# Altium PCB spd150.PcbDoc (part 15 of 16)
Units mm, origin at the board's own origin, x right, y up, seen from the top; angles counter-clockwise.
Board outline 217.35 x 147.5 mm, 10 copper layers (TOP, LYR2-PLN, LYR3-SIG, LYR4-SIG, LYR5-PLN, LYR6-PLN, LYR7-SIG, LYR8-SIG, LYR9-PLN, BOTTOM), stack 2.134 mm thick; 1065 components, 972 nets, 4226 pads, 2810 vias.
Unrouted connection lines stored in the file: 16.
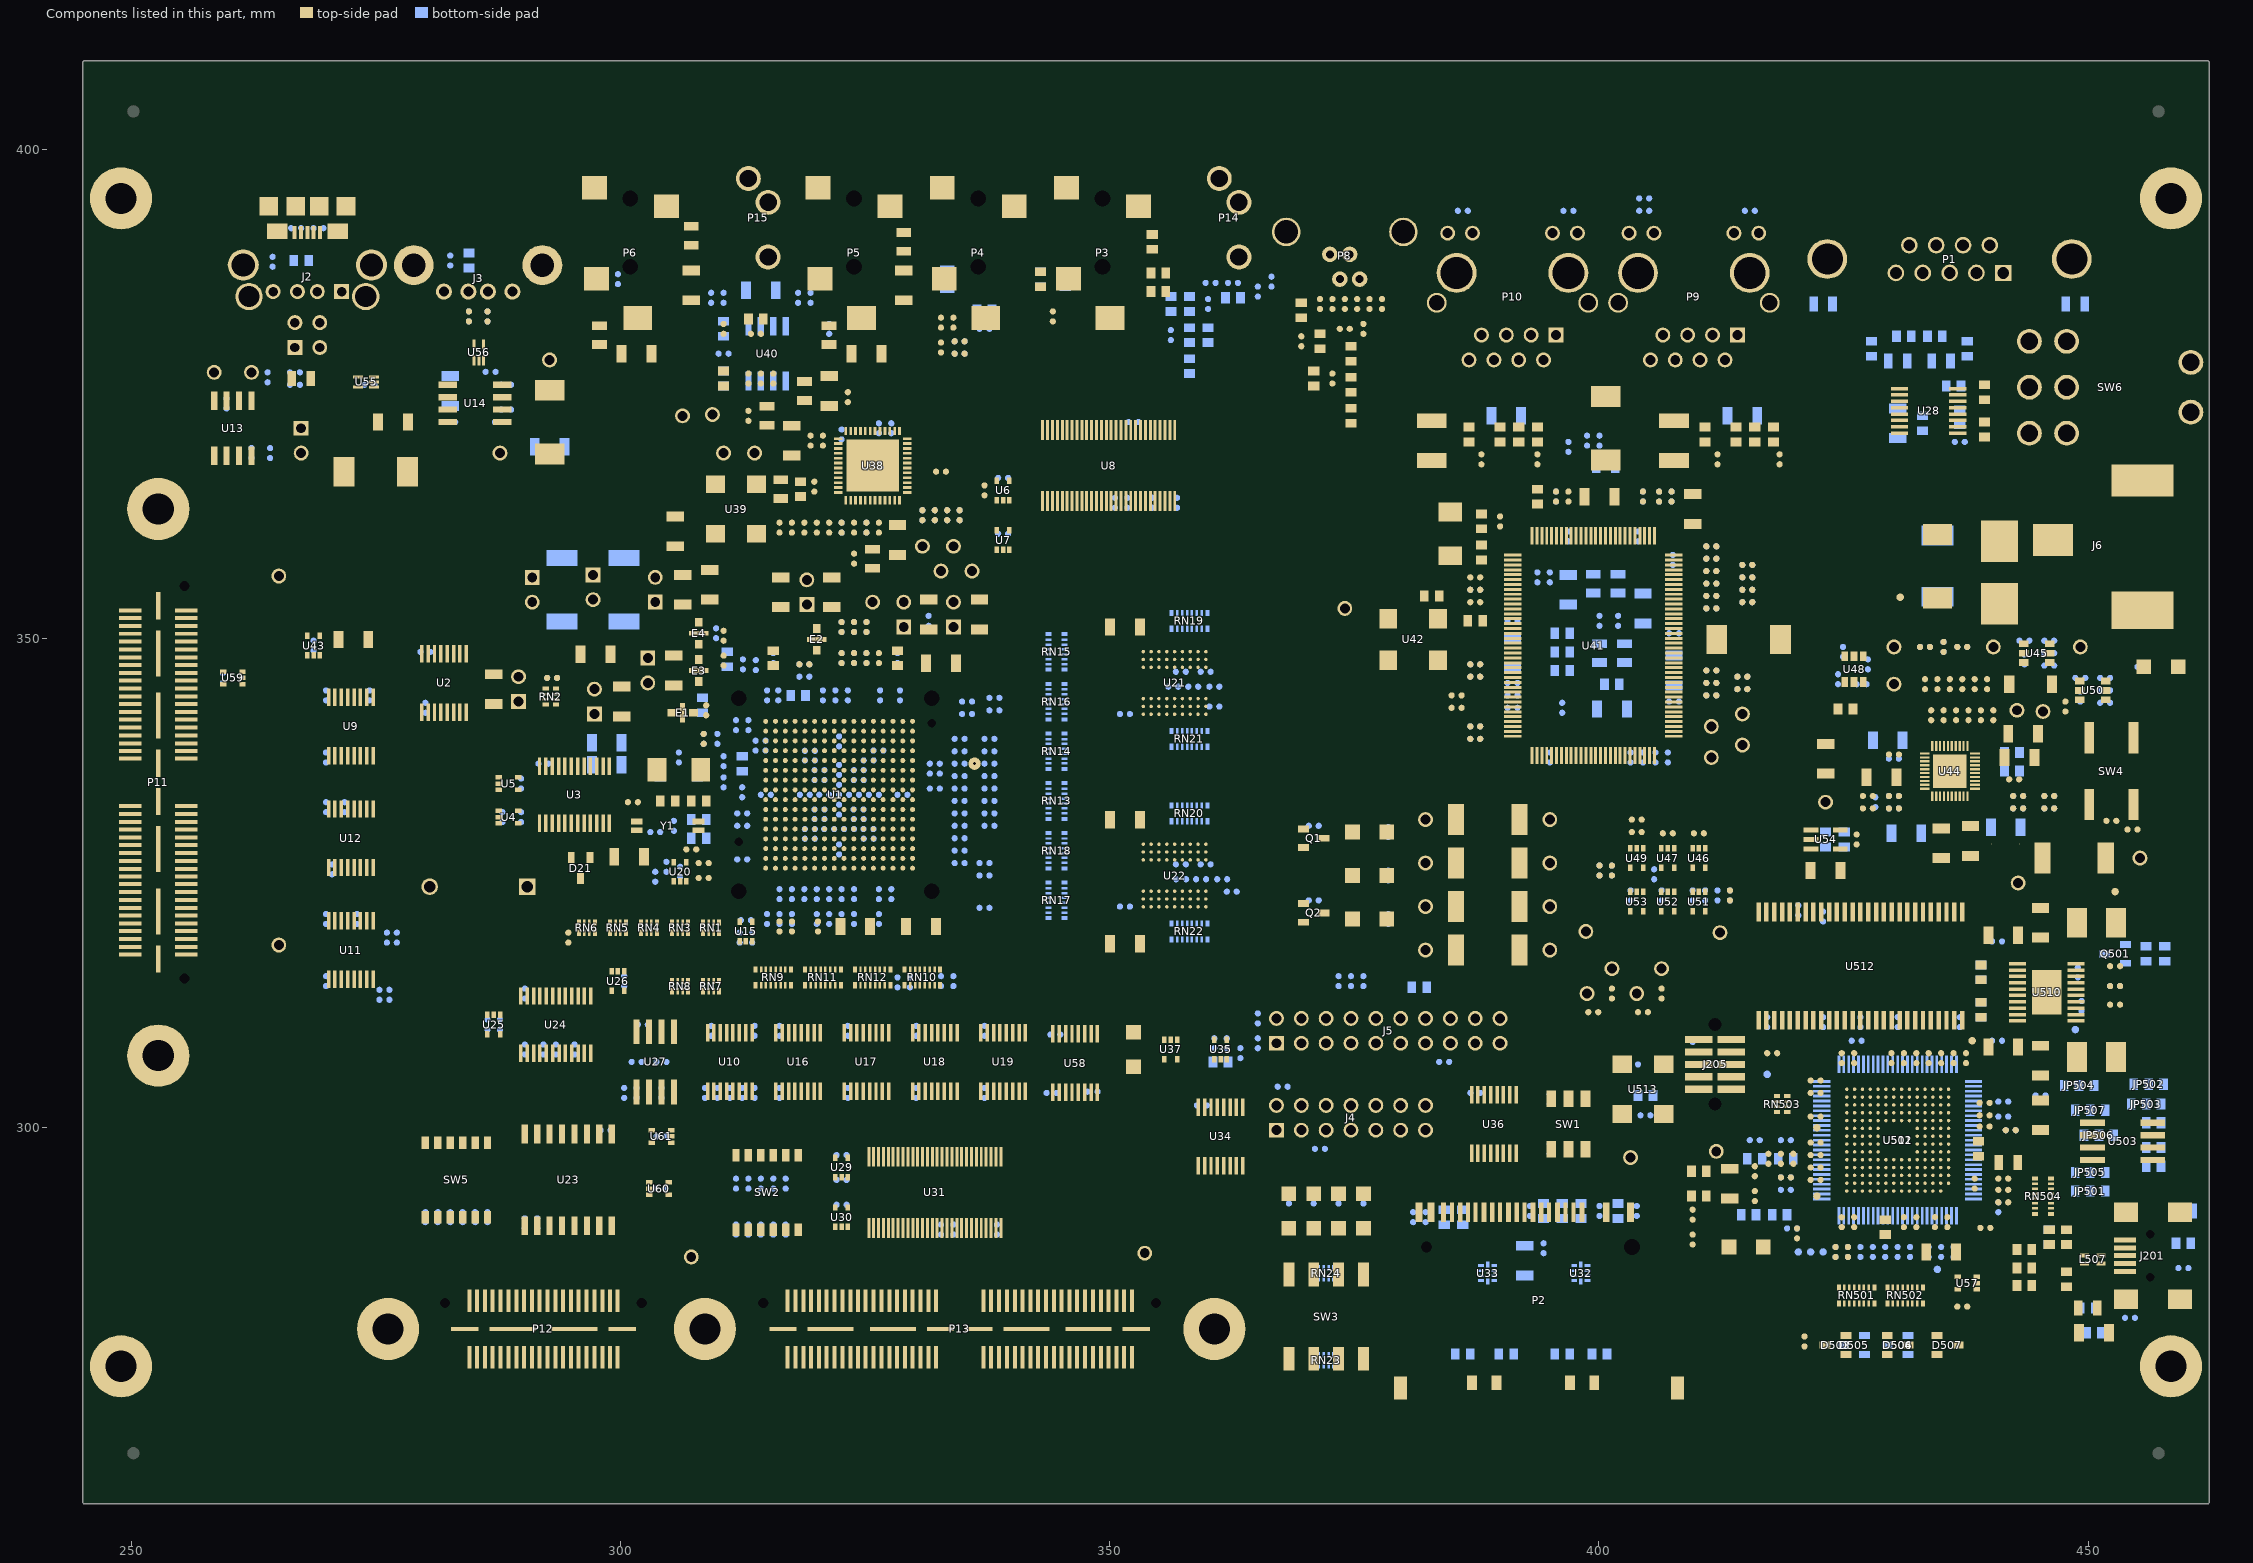
[diagram p23: the components of this part, seen from the top]

## Silkscreen, mask and mechanical layers (free items; w line width, h text height) (continued)
ASSY:
  drawing of 23313 lines, arcs and shapes, not listed
  text "P5" at 212.407,440.459 h1.27 r90
  text "P6" at 178.118,440.078 h1.27 r90
  text "P8" at 292.036,439.697 h1.27 r90
  text "P4" at 231.457,439.316 h1.27 r90
  text "P3" at 250.507,439.316 h1.27 r90
  text "MAC ADDRESS" at 485.267,438.554 h1.91
  text "J3" at 160.401,437.792 h1.91 r90
  text "P15" at 183.261,437.601 h1.27 r90
  text "P14" at 269.748,437.601 h1.27 r90
  text "R233" at 561.276,437.03 h1.27
  text "R240" at 571.754,436.839 h1.27
  text "USB1" at 137.16,436.268 h1.27 r90
  text "USB0" at 111.061,435.696 h1.27 r90
  text "IN" at 236.029,435.506 h1.27 r90
  text "R193" at 710.819,435.125 h1.27 r90
  text "00-0E-99-" at 490.22,434.934 h1.91
  text "R235" at 545.465,434.934 h1.27
  text "R234" at 561.276,434.934 h1.27
  text "L14" at 181.356,434.744 h1.27 r90
  text "R239" at 579.945,434.744 h1.27
  text "R59" at 759.968,433.982 h1.27
  text "R58" at 764.921,433.982 h1.27
  text "OUT" at 163.449,433.601 h1.27 r90
  text "IN" at 217.361,433.41 h1.27 r90
  text "UART" at 399.669,433.41 h1.91 r90
  text "R186" at 676.529,432.458 h1.27 r90
  text "C270" at 771.017,430.934 h1.27 r90
  text "R392" at 740.727,430.743 h1.27 r90
  text "C271" at 743.585,430.743 h1.27 r90
  text "L12" at 212.026,428.648 h1.27 r90
  text "LINE" at 236.029,428.648 h1.27 r90
  text "MIC" at 217.17,428.076 h1.27 r90
  text "HP OUT" at 198.31,427.886 h1.27 r90
  text "R182" at 250.126,427.695 h1.27 r90
  text "R183" at 254.889,427.124 h1.27 r90
  text "LINE" at 163.449,426.933 h1.27 r90
  text "ENET-P1" at 348.996,426.933 h1.91 r90
  text "ENET-P2" at 321.183,426.743 h1.91 r90
  text "J2" at 104.775,426.362 h1.91
  text "R211" at 627.761,425.79 h1.27 r90
  text "R217" at 619.188,425.409 h1.27
  text "C183" at 693.166,425.028 h1.27
  text "R391" at 761.301,425.028 h1.27
  text "C188" at 687.959,424.266 h1.27 r90
  text "R221" at 689.864,424.266 h1.27 r90
  text "C174" at 177.038,424.076 h1.27 r90
  text "C169" at 213.995,424.076 h1.27 r90
  text "R181" at 232.981,423.123 h1.27 r90
  text "R180" at 647.001,422.933 h1.27 r90
  text "L10" at 669.671,422.933 h1.27 r90
  text "L2" at 530.987,422.742 h1.27
  text "C161" at 655.002,422.742 h1.27 r90
  text "R214" at 635.19,421.98 h1.27 r90
  text "C181" at 637.096,421.98 h1.27 r90
  text "C180" at 639,421.98 h1.27 r90
  text "C171" at 659.384,421.599 h1.27 r90
  text "C187" at 706.818,421.218 h1.27 r90
  text "R192" at 719.391,421.218 h1.27 r90
  text "R220" at 704.913,421.028 h1.27 r90
  text "R390" at 615.379,420.647 h1.27 r90
  text "+" at 182.499,419.694 h1.27 r90
  text "+" at 212.407,419.694 h1.27 r90
  text "C167" at 250.126,419.123 h1.27
  text "SW6" at 401.193,418.932 h1.27
  text "P1" at 368.618,418.361 h1.27
  text "R212" at 193.167,418.17 h1.27
  text "L5" at 492.125,417.789 h1.27
  text "R223" at 150.304,417.599 h1.27
  text "R375" at 139.636,417.408 h1.27
  text "C130" at 520.51,417.408 h1.27 r90
  text "C170" at 218.123,417.218 h1.27 r90
  text "C132" at 515.557,417.218 h1.27 r90
  text "R187" at 662.241,417.218 h1.27
  text "C197" at 289.179,416.837 h1.27 r90
  text "R231" at 291.084,416.837 h1.27 r90
  text "C179" at 702.246,416.837 h1.27
  text "R216" at 617.855,416.646 h1.27 r90
  text "+" at 176.403,415.884 h1.27 r180
  text "C184" at 192.405,415.884 h1.27
  text "C168" at 205.613,415.313 h1.27
  text "R120" at 734.06,415.122 h1.27 r90
  text "R393" at 743.775,415.122 h1.27 r90
  text "TP4" at 156.972,414.932 h1.27
  text "C158" at 238.696,414.932 h1.27 r90
  text "C192" at 265.366,414.932 h1.27 r90
  text "R225" at 267.272,414.932 h1.27 r90
  text "C196" at 269.176,414.932 h1.27 r90
  text "R230" at 271.082,414.932 h1.27 r90
  text "R228" at 272.986,414.932 h1.27 r90
  text "C172" at 666.242,414.932 h1.27
  text "R185" at 683.577,414.932 h1.27 r90
  text "C182" at 620.332,414.551 h1.27 r90
  text "L13" at 164.973,414.17 h1.27 r90
  text "L11" at 200.215,414.17 h1.27 r90
  text "R215" at 184.747,413.675 h1.27 r90
  text "R184" at 224.79,413.598 h1.27
  text "R218" at 702.818,413.598 h1.27
  text "R190" at 666.433,413.027 h1.27
  text "C131" at 508.698,412.836 h1.27 r90
  text "R213" at 634.619,412.836 h1.27 r90
  text "P10" at 294.132,412.455 h1.27 r90
  text "C178" at 622.808,412.455 h1.27 r90
  text "C177" at 624.904,412.455 h1.27 r90
  text "U40" at 688.721,412.455 h1.27 r90
  text "U56" at 152.4,412.265 h1.27 r90
  text "+" at 211.645,412.265 h1.27 r180
  text "R232" at 286.512,412.265 h1.27 r90
  text "R53" at 771.207,412.265 h1.27 r90
  text "P9" at 348.424,412.074 h1.27 r90
  text "C263" at 732.726,411.693 h1.27
  text "U55" at 131.826,411.503 h1.27
  text "C155" at 198.564,411.503 h1.27
  text "C129" at 527.748,411.503 h1.27 r90
  text "U14" at 140.017,410.36 h1.27
  text "C173" at 168.465,410.36 h1.27
  text "R188" at 217.932,410.36 h1.27 r90
  text "C15" at 760.349,410.36 h1.27
  text "R189" at 219.075,409.598 h1.27
  text "L4" at 514.413,409.598 h1.27
  text "L3" at 518.986,409.598 h1.27
  text "L1" at 123.825,409.217 h1.27
  text "C189" at 195.453,409.217 h1.27 r90
  text "R227" at 271.462,409.026 h1.27 r90
  text "C191" at 273.368,409.026 h1.27 r90
  text "TP2" at 111.252,408.836 h1.27 r90
  text "C185" at 179.26,408.645 h1.27 r90
  text "R219" at 181.165,408.645 h1.27 r90
  text "R222" at 183.07,408.645 h1.27 r90
  text "C195" at 284.607,408.645 h1.27 r90
  text "C28" at 739.013,408.645 h1.27 r90
  text "C30" at 726.63,408.264 h1.27
  text "TP1" at 104.775,407.883 h1.27 r90
  text "R191" at 219.075,407.502 h1.27
  text "C264" at 756.92,407.502 h1.27
  text "R625" at 597.091,406.931 h1.27
  text "L7" at 196.786,406.74 h1.27 r90
  text "C194" at 283.274,406.74 h1.27
  text "C226" at 291.274,406.74 h1.27
  text "C135" at 504.317,406.74 h1.27
  text "TP40" at 180.403,406.359 h1.27
  text "R94" at 603.567,406.359 h1.27
  text "R52" at 765.683,406.359 h1.27
  text "C230" at 328.422,406.169 h1.27
  text "R60" at 731.774,406.169 h1.27
  text "C231" at 542.481,405.978 h1.27
  text "C186" at 703.77,405.978 h1.27 r90
  text "C227" at 578.866,405.788 h1.27
  text "C134" at 381.762,405.597 h1.27 r90
  text "TP39" at 172.212,405.407 h1.27
  text "C29" at 164.592,405.026 h1.27 r90
  text "+" at 196.024,405.026 h1.27 r270
  text "R629" at 597.091,405.026 h1.27
  text "C157" at 206.692,404.835 h1.27 r90
  text "J1" at 119.634,404.645 h1.27
  text "L9" at 195.262,404.454 h1.27 r90
  text "R98" at 603.567,404.454 h1.27
  text "+" at 549.275,404.264 h1.27 r180
  text "+" at 585.47,404.264 h1.27 r180
  text "C154" at 673.481,403.883 h1.27 r90
  text "C156" at 675.386,403.883 h1.27 r90
  text "+" at 741.299,403.883 h1.27 r90
  text "R310" at 305.371,403.692 h1.27 r90
  text "R308" at 308.229,403.692 h1.27 r90
  text "R304" at 344.614,403.692 h1.27 r90
  text "C176" at 629.856,403.692 h1.27 r90
  text "R311" at 300.799,403.502 h1.27 r90
  text "R307" at 336.994,403.502 h1.27 r90
  text "R306" at 341.566,403.502 h1.27 r90
  text "+" at 130.112,403.311 h1.27
  text "R309" at 312.611,403.311 h1.27 r90
  text "R305" at 348.615,403.311 h1.27 r90
  text "+" at 202.12,403.121 h1.27 r90
  text "C133" at 502.983,402.93 h1.27
  text "R224" at 779.589,402.93 h1.27 r90
  text "R22" at 639.572,402.168 h1.27
  text "C190" at 275.654,401.978 h1.27 r90
  text "R226" at 279.844,401.978 h1.27 r90
  text "C165" at 188.595,401.597 h1.27 r90
  text "R229" at 277.94,401.406 h1.27 r90
  text "C13" at 725.868,401.406 h1.27
  text "C216" at 562.61,400.835 h1.27 r90
  text "C215" at 564.515,400.835 h1.27 r90
  text "+" at 723.202,400.835 h1.27
  text "R628" at 597.852,400.644 h1.27
  text "R97" at 604.711,400.644 h1.27
  text "R61" at 733.488,400.644 h1.27
  text "U38" at 216.599,400.454 h1.27 r90
  text "R62" at 739.966,400.454 h1.27
  text "C214" at 326.136,400.263 h1.27 r90
  text "U13" at 105.156,400.073 h1.27 r90
  text "C14" at 133.541,400.073 h1.27
  text "C153" at 684.911,399.882 h1.27 r90
  text "C193" at 284.798,399.692 h1.27 r90
  text "C127" at 515.557,399.311 h1.27 r90
  text "R627" at 597.852,398.739 h1.27
  text "R96" at 604.711,398.739 h1.27
  text "R201" at 223.266,398.549 h1.27 r90
  text "R206" at 225.171,398.549 h1.27 r90
  text "R205" at 227.076,398.549 h1.27 r90
  text "R204" at 228.981,398.549 h1.27 r90
  text "C136" at 381.952,398.358 h1.27 r90
  text "+" at 520.89,398.168 h1.27 r90
  text "R295" at 573.468,397.977 h1.27 r90
  text "U28" at 368.427,397.596 h1.27
  text "C162" at 174.18,397.406 h1.27 r90
  text "C128" at 521.716,397.406 h1.27 r90
  text "TP8" at 183.261,396.834 h1.27 r90
  text "TP9" at 259.08,396.834 h1.27 r90
  text "R622" at 597.852,396.834 h1.27
  text "R91" at 604.711,396.834 h1.27
  text "C82" at 609.663,396.834 h1.27
  text "TP11" at 261.747,396.644 h1.27 r90
  text "C166" at 219.266,396.453 h1.27 r90
  text "R54" at 769.112,395.501 h1.27 r90
  text "R56" at 775.589,395.501 h1.27 r90
  text "C84" at 609.663,395.31 h1.27
  text "TP7" at 194.31,395.12 h1.27 r90
  text "U8" at 233.553,395.12 h1.27 r90
  text "R621" at 597.852,394.929 h1.27
  text "R90" at 604.711,394.929 h1.27
  text "TP5" at 148.971,394.739 h1.27
  text "C164" at 178.118,394.548 h1.27 r90
  text "C163" at 180.022,394.548 h1.27 r90
  text "R326" at 355.282,393.977 h1.27 r90
  text "R329" at 359.092,393.977 h1.27 r90
  text "R328" at 360.998,393.977 h1.27 r90
  text "R327" at 362.902,393.977 h1.27 r90
  text "R338" at 364.808,393.977 h1.27 r90
  text "C6" at 653.669,393.977 h1.27
  text "C239" at 357.188,393.786 h1.27 r90
  text "C229" at 309.562,393.596 h1.27 r90
  text "R150" at 511.937,393.596 h1.27 r90
  text "C16" at 124.968,393.405 h1.27 r90
  text "R298" at 314.325,393.405 h1.27 r90
  text "R299" at 316.23,393.405 h1.27 r90
  text "C220" at 318.008,393.405 h1.27
  text "C228" at 340.423,393.405 h1.27 r90
  text "R272" at 540.512,393.405 h1.27
  text "L21" at 564.134,393.405 h1.27
  text "C232" at 300.99,393.215 h1.27 r90
  text "C225" at 349.948,393.215 h1.27 r90
  text "R623" at 597.852,393.024 h1.27
  text "R92" at 604.711,393.024 h1.27
  text "C63" at 609.663,393.024 h1.27
  text "R198" at 662.241,392.643 h1.27 r90
  text "R199" at 664.146,392.643 h1.27 r90
  text "R200" at 666.242,392.643 h1.27 r90
  text "R207" at 668.337,392.643 h1.27 r90
  text "R365" at 376.428,392.453 h1.27
  text "R360" at 385,392.453 h1.27
  text "J6" at 394.144,391.5 h1.27
  text "R258" at 540.512,391.5 h1.27
  text "R626" at 597.852,391.119 h1.27
  text "R95" at 604.711,391.119 h1.27
  text "C200" at 304.038,390.738 h1.27 r90
  text "R273" at 305.943,390.738 h1.27 r90
  text "TP12" at 263.271,390.548 h1.27 r90
  text "TP10" at 260.223,390.357 h1.27 r90
  text "R361" at 384.238,390.357 h1.27 r90
  text "R294" at 575.183,389.976 h1.27 r90
  text "+" at 212.217,389.786 h1.27 r270
  text "+" at 316.039,389.595 h1.27
  text "R260" at 540.512,389.595 h1.27
  text "R23" at 630.237,389.405 h1.27 r90
  text "C8" at 643.382,389.405 h1.27 r90
  text "C7" at 645.287,389.405 h1.27 r90
  text "BELOW" at 137.35,389.214 h1.27
  text "C221" at 341.82,389.214 h1.27 r90
  text "R630" at 597.852,389.214 h1.27
  text "R99" at 604.711,389.214 h1.27
  text "U6" at 228.409,388.833 h1.27
  text "R21" at 637.286,388.452 h1.27 r90
  text "C259" at 370.142,388.071 h1.27 r90
  text "R325" at 356.425,387.69 h1.27 r90
  text "C269" at 358.521,387.69 h1.27 r90
  text "C268" at 360.426,387.69 h1.27 r90
  text "C267" at 362.331,387.69 h1.27 r90
  text "R342" at 364.046,387.69 h1.27 r90
  text "R330" at 365.95,387.69 h1.27 r90
  text "R244" at 540.512,387.69 h1.27
  text "R296" at 549.656,387.69 h1.27 r90
  text "R297" at 551.561,387.69 h1.27 r90
  text "R257" at 554.038,387.69 h1.27 r90
  text "R266" at 308.8,387.5 h1.27 r90
  text "R366" at 505.65,387.309 h1.27 r90
  text "R624" at 597.852,387.309 h1.27
  text "R93" at 604.711,387.309 h1.27
  text "R20" at 225.361,387.119 h1.27 r90
  text "U38" at 138.874,386.928 h1.27
  text "C5" at 656.336,386.928 h1.27
  text "R274" at 337.947,386.738 h1.27 r90
  text "R301" at 339.852,386.738 h1.27 r90
  text "R300" at 341.757,386.738 h1.27 r90
  text "C103" at 179.514,386.357 h1.27 r90
  text "R208" at 681.291,385.976 h1.27 r90
  text "R202" at 684.911,385.976 h1.27 r90
  text "C100" at 162.75,385.785 h1.27 r90
  text "R262" at 540.512,385.785 h1.27
  text "R4" at 673.29,385.595 h1.27 r90
  text "R16" at 675.195,385.595 h1.27 r90
  text "R17" at 677.101,385.595 h1.27 r90
  text "R76" at 604.901,385.214 h1.27
  text "L8" at 127.254,385.023 h1.27 r90
  text "C160" at 129.35,385.023 h1.27 r90
  text "C159" at 131.636,385.023 h1.27 r90
  text "R64" at 156.972,385.023 h1.27 r90
  text "C72" at 158.686,385.023 h1.27 r90
  text "R57" at 167.259,385.023 h1.27 r90
  text "+" at 334.518,385.023 h1.27 r90
  text "C224" at 572.135,385.023 h1.27
  text "Y3" at 293.941,384.642 h1.27 r90
  text "R116" at 726.25,384.452 h1.27 r90
  text "+" at 176.213,384.071 h1.27 r90
  text "R288" at 346.329,384.071 h1.27
  text "R115" at 716.343,384.071 h1.27 r90
  text "R249" at 540.512,383.88 h1.27
  text "R289" at 284.226,383.69 h1.27
  text "R86" at 604.901,383.309 h1.27
  text "PTP8" at 166.878,382.928 h1.27 r90
  text "U7" at 232.41,382.356 h1.27 r90
  text "GND" at 118.11,382.166 h1.27 r90
  text "R275" at 346.329,382.166 h1.27
  text "+" at 570.992,382.166 h1.27 r270
  text "U39" at 185.737,381.975 h1.27
  text "R85" at 599.757,381.975 h1.27
  text "R255" at 284.226,381.785 h1.27
  text "C223" at 557.086,381.785 h1.27 r90
  text "C222" at 559.752,381.594 h1.27 r90
  text "R82" at 604.901,381.404 h1.27
  text "R276" at 352.996,381.213 h1.27
  text "C150" at 142.748,381.023 h1.27 r90
  text "L22" at 565.277,381.023 h1.27
  text "R259" at 534.987,380.642 h1.27
  text "L23" at 562.61,380.451 h1.27 r90
  text "R277" at 346.329,380.261 h1.27
  text "D1" at 521.271,380.261 h1.27 r90
  text "R81" at 599.757,380.07 h1.27
  text "R250" at 284.226,379.88 h1.27
  text "R10" at 673.29,379.689 h1.27 r90
  text "R7" at 675.195,379.689 h1.27 r90
  text "R14" at 677.101,379.689 h1.27 r90
  text "C199" at 304.609,379.308 h1.27 r90
  text "R278" at 352.996,379.308 h1.27
  text "F1" at 387.286,378.737 h1.27 r90
  text "R261" at 534.987,378.737 h1.27
  text "R251" at 346.329,378.356 h1.27
  text "5V" at 388.048,378.356 h1.91
  text "C175" at 127.444,378.165 h1.27 r90
  text "R210" at 129.35,378.165 h1.27 r90
  text "R209" at 131.064,378.165 h1.27 r90
  text "R194" at 132.969,378.165 h1.27 r90
  text "R195" at 134.874,378.165 h1.27 r90
  text "R196" at 136.779,378.165 h1.27 r90
  text "R197" at 138.684,378.165 h1.27 r90
  text "R203" at 140.589,378.165 h1.27 r90
  text "C152" at 142.494,378.165 h1.27 r90
  text "1" at 91.821,377.784 h1.27
  text "TP6" at 206.502,377.594 h1.27
  text "R252" at 352.996,377.403 h1.27
  text "TP41" at 115.062,377.022 h1.27 r90
  text "R248" at 588.518,377.022 h1.27
  text "R245" at 534.987,376.832 h1.27
  text "R237" at 285.178,376.641 h1.27
  text "R279" at 346.329,376.451 h1.27
  text "C219" at 578.421,376.26 h1.27 r90
  text "C218" at 580.327,376.26 h1.27 r90
  text "+" at 186.309,375.879 h1.27 r90
  text "R287" at 352.996,375.498 h1.27
  text "IN" at 388.048,375.498 h1.91
  text "PTP1" at 163.068,375.117 h1.27 r90
  text "TP33" at 364.998,374.927 h1.27 r90
  text "R271" at 534.987,374.927 h1.27
  text "C212" at 556.006,374.927 h1.27 r90
  text "R256" at 346.329,374.546 h1.27
  text "L6" at 140.779,374.355 h1.27 r90
  text "PTP6" at 153.924,374.355 h1.27 r90
  text "C217" at 573.532,374.165 h1.27
  text "R118" at 229.235,373.974 h1.27 r90
  text "C101" at 232.855,373.974 h1.27 r90
  text "PTP10" at 172.593,373.784 h1.27 r90
  text "C114" at 245.618,373.784 h1.27
  text "+" at 195.072,372.641 h1.27 r90
  text "C207" at 567.372,372.45 h1.27
  text "+" at 577.85,372.069 h1.27 r270
  text "C204" at 583.184,372.069 h1.27
  text "C151" at 138.684,371.879 h1.27 r90
  text "C104" at 128.27,371.688 h1.27
  text "C37" at 702.818,371.688 h1.27
  text "TP46" at 278.702,371.498 h1.27 r90
  text "C203" at 350.329,371.498 h1.27
  text "C210" at 550.418,371.498 h1.27
  text "C198" at 596.138,371.498 h1.27
  text "R117" at 668.337,371.498 h1.27 r90
  text "TP32" at 390.906,371.307 h1.27
  text "PTP5" at 229.552,371.117 h1.27 r90
  text "PTP4" at 233.172,371.117 h1.27 r90
  text "TP31" at 360.236,370.926 h1.27
  text "R364" at 513.08,370.926 h1.27
  text "C213" at 562.61,370.736 h1.27 r90
  text "R63" at 177.546,370.545 h1.27 r90
  text "TP30" at 377.571,370.545 h1.27
  text "U45" at 388.239,370.545 h1.27 r90
  text "R346" at 499.935,370.545 h1.27 r90
  text "R347" at 496.125,370.355 h1.27 r90
  text "C22" at 687.006,370.355 h1.27
  text "+" at 227.457,370.164 h1.27 r90
  text "R238" at 298.132,369.974 h1.27
  text "R246" at 542.417,369.974 h1.27
  text "+" at 559.371,369.974 h1.27 r90
  text "A1" at 260.032,369.783 h1.27
  text "RN19" at 625.475,369.783 h1.27 r90
  text "C69" at 164.592,369.593 h1.27
  text "PTP9" at 171.45,369.402 h1.27
  text "E4" at 184.785,369.402 h1.27 r90
  text "+" at 161.734,369.021 h1.27
  text "R351" at 531.178,369.021 h1.27 r90
  text "C35" at 187.833,368.831 h1.27 r90
  text "C27" at 192.595,368.45 h1.27 r90
  text "C57" at 698.703,368.45 h1.27 r90
  text "C58" at 696.73,368.325 h1.27 r90
  text "C55" at 675.957,368.259 h1.27 r90
  text "C26" at 694.436,368.259 h1.27 r90
  text "R264" at 542.417,368.069 h1.27
  text "U42" at 284.988,367.878 h1.27 r90
  text "R362" at 509.27,367.878 h1.27 r90
  text "C71" at 217.17,367.688 h1.27
  text "GND" at 281.559,367.688 h1.27 r90
  text "DS7" at 405.575,367.688 h1.27
  text "R349" at 526.034,367.688 h1.27 r90
  text "C202" at 580.962,367.688 h1.27 r90
  text "C233" at 766.064,367.688 h1.27 r90
  text "C23" at 684.721,367.116 h1.27
  text "C1" at 742.061,367.116 h1.27
  text "PTP3" at 151.447,366.545 h1.27
  text "E2" at 198.691,366.545 h1.27 r90
  text "U43" at 125.158,366.354 h1.27
  text "U59" at 112.395,366.164 h1.27
  text "R247" at 542.417,366.164 h1.27
  text "C38" at 701.294,366.164 h1.27
  text "R368" at 476.123,365.973 h1.27
  text "U48" at 356.425,365.783 h1.27 r90
  text "R348" at 489.077,365.783 h1.27
  text "R359" at 514.985,365.783 h1.27
  text "RN15" at 644.525,365.402 h1.27 r90
  text "R269" at 588.327,365.211 h1.27
  text "E3" at 184.968,365.059 h1.27 r90
  text "L20" at 561.276,365.021 h1.27 r90
  text "+" at 214.694,364.83 h1.27
  text "TP27" at 361.569,364.83 h1.27
  text "C201" at 556.006,364.83 h1.27 r90
  text "L19" at 565.087,364.83 h1.27 r90
  text "U50" at 399.097,364.64 h1.27 r90
  text "R13" at 226.123,364.449 h1.27 r90
  text "R11" at 227.838,364.449 h1.27 r90
  text "R5" at 229.933,364.449 h1.27 r90
  text "R253" at 344.805,364.259 h1.27
  text "C111" at 619.76,364.259 h1.27
  text "C24" at 692.15,364.259 h1.27 r90
  text "C118" at 632.142,364.068 h1.27
  text "C21" at 196.596,363.687 h1.27
  text "C248" at 495.173,363.687 h1.27
  text "C36" at 187.833,363.497 h1.27 r90
  text "L15" at 390.525,363.497 h1.27 r90
  text "R355" at 479.743,363.306 h1.27
  text "R263" at 535.94,363.306 h1.27
  text "R270" at 588.327,363.306 h1.27
  text "R285" at 288.226,363.116 h1.27
  text "R280" at 350.71,363.116 h1.27
  text "C78" at 670.814,362.925 h1.27
  text "R394" at 707.962,362.544 h1.27 r90
  text "R395" at 709.866,362.544 h1.27 r90
  text "R119" at 146.558,362.354 h1.27 r90
  text "R281" at 344.805,362.354 h1.27
  text "R353" at 494.03,362.354 h1.27
  text "C121" at 603.377,361.782 h1.27
  text "C110" at 609.854,361.782 h1.27
  text "C116" at 616.521,361.782 h1.27
  text "C52" at 236.22,361.401 h1.27 r90
  text "U21" at 268.414,361.401 h1.27 r90
  text "R356" at 479.743,361.401 h1.27
  text "R265" at 535.94,361.401 h1.27
  text "R2" at 725.487,361.401 h1.27
  text "R286" at 288.226,361.211 h1.27

## Text inside footprints (layer, text, board x,y; h text height)
C91: PIN_NUMBER "2" at 325.628,338.531 h0.51; PIN_NUMBER "1" at 326.644,338.531 h0.51; ASSEMBLY_BOTTOM "0.1uF" at 326.339,338.531 h0.64; ASSEMBLY_BOTTOM "TOLERANCE" at 326.339,335.991 h0.64; ASSEMBLY_BOTTOM "USERPART#" at 326.339,334.721 h0.64; SYMBOL_PART_DIM "PAD 35X32 OV" at 329.463,333.756 h0.64; SYMBOL_PART_DIM "C402-35X32" at 329.463,335.026 h0.64; SYMBOL_PART_DIM "0" at 326.542,336.398 h0.64; SYMBOL_PART_DIM "0" at 328.676,338.201 h0.64
C92: PIN_NUMBER "2" at 322.123,338.963 h0.51 r90; PIN_NUMBER "1" at 322.123,339.979 h0.51 r90; ASSEMBLY_BOTTOM "0.1uF" at 322.326,339.471 h0.64 r90; ASSEMBLY_BOTTOM "TOLERANCE" at 324.866,339.471 h0.64 r90; ASSEMBLY_BOTTOM "USERPART#" at 326.136,339.471 h0.64 r90; SYMBOL_PART_DIM "PAD 35X32 OV" at 327.101,342.595 h0.64 r90; SYMBOL_PART_DIM "C402-35X32" at 325.831,342.595 h0.64 r90; SYMBOL_PART_DIM "0" at 324.46,339.674 h0.64 r90; SYMBOL_PART_DIM "0" at 322.656,341.808 h0.64 r90
C93: PIN_NUMBER "2" at 336.474,322.453 h0.51; PIN_NUMBER "1" at 337.49,322.453 h0.51; ASSEMBLY_BOTTOM "0.1uF" at 337.185,322.453 h0.64; ASSEMBLY_BOTTOM "TOLERANCE" at 337.185,319.913 h0.64; ASSEMBLY_BOTTOM "USERPART#" at 337.185,318.643 h0.64; SYMBOL_PART_DIM "PAD 35X32 OV" at 340.309,317.678 h0.64; SYMBOL_PART_DIM "C402-35X32" at 340.309,318.948 h0.64; SYMBOL_PART_DIM "0" at 337.388,320.319 h0.64; SYMBOL_PART_DIM "0" at 339.522,322.123 h0.64
C94: PIN_NUMBER "2" at 312.725,330.835 h0.51 r180; PIN_NUMBER "1" at 311.709,330.835 h0.51 r180; ASSEMBLY_BOTTOM "0.1uF" at 312.42,330.835 h0.64 r180; ASSEMBLY_BOTTOM "TOLERANCE" at 312.42,333.375 h0.64 r180; ASSEMBLY_BOTTOM "USERPART#" at 312.42,334.645 h0.64 r180; SYMBOL_PART_DIM "PAD 35X32 OV" at 309.296,335.61 h0.64 r180; SYMBOL_PART_DIM "C402-35X32" at 309.296,334.34 h0.64 r180; SYMBOL_PART_DIM "0" at 312.217,332.969 h0.64 r180; SYMBOL_PART_DIM "0" at 310.083,331.165 h0.64 r180
C95: PIN_NUMBER "2" at 328.092,334.01 h0.51; PIN_NUMBER "1" at 329.108,334.01 h0.51; ASSEMBLY_BOTTOM "0.1uF" at 328.803,334.01 h0.64; ASSEMBLY_BOTTOM "TOLERANCE" at 328.803,331.47 h0.64; ASSEMBLY_BOTTOM "USERPART#" at 328.803,330.2 h0.64; SYMBOL_PART_DIM "PAD 35X32 OV" at 331.927,329.235 h0.64; SYMBOL_PART_DIM "C402-35X32" at 331.927,330.505 h0.64; SYMBOL_PART_DIM "0" at 329.006,331.876 h0.64; SYMBOL_PART_DIM "0" at 331.14,333.68 h0.64
C96: PIN_NUMBER "2" at 318.618,330.505 h0.51; PIN_NUMBER "1" at 319.634,330.505 h0.51; ASSEMBLY_BOTTOM "0.1uF" at 319.329,330.505 h0.64; ASSEMBLY_BOTTOM "TOLERANCE" at 319.329,327.965 h0.64; ASSEMBLY_BOTTOM "USERPART#" at 319.329,326.695 h0.64; SYMBOL_PART_DIM "PAD 35X32 OV" at 322.453,325.73 h0.64; SYMBOL_PART_DIM "C402-35X32" at 322.453,327 h0.64; SYMBOL_PART_DIM "0" at 319.532,328.371 h0.64; SYMBOL_PART_DIM "0" at 321.666,330.175 h0.64
C97: PIN_NUMBER "2" at 318.618,337.515 h0.51; PIN_NUMBER "1" at 319.634,337.515 h0.51; ASSEMBLY_BOTTOM "0.1uF" at 319.329,337.515 h0.64; ASSEMBLY_BOTTOM "TOLERANCE" at 319.329,334.975 h0.64; ASSEMBLY_BOTTOM "USERPART#" at 319.329,333.705 h0.64; SYMBOL_PART_DIM "PAD 35X32 OV" at 322.453,332.74 h0.64; SYMBOL_PART_DIM "C402-35X32" at 322.453,334.01 h0.64; SYMBOL_PART_DIM "0" at 319.532,335.382 h0.64; SYMBOL_PART_DIM "0" at 321.666,337.185 h0.64
C98: PIN_NUMBER "2" at 322.123,328.93 h0.51 r270; PIN_NUMBER "1" at 322.123,327.914 h0.51 r270; ASSEMBLY_BOTTOM "0.1uF" at 322.326,328.422 h0.64 r270; ASSEMBLY_BOTTOM "TOLERANCE" at 319.786,328.422 h0.64 r270; ASSEMBLY_BOTTOM "USERPART#" at 318.516,328.422 h0.64 r270; SYMBOL_PART_DIM "PAD 35X32 OV" at 317.551,325.298 h0.64 r270; SYMBOL_PART_DIM "C402-35X32" at 318.821,325.298 h0.64 r270; SYMBOL_PART_DIM "0" at 320.192,328.219 h0.64 r270; SYMBOL_PART_DIM "0" at 321.996,326.085 h0.64 r270
C99: PIN_NUMBER "2" at 323.012,343.662 h0.51 r90; PIN_NUMBER "1" at 323.012,344.678 h0.51 r90; ASSEMBLY_BOTTOM "0.1uF" at 323.215,344.17 h0.64 r90; ASSEMBLY_BOTTOM "TOLERANCE" at 325.755,344.17 h0.64 r90; ASSEMBLY_BOTTOM "USERPART#" at 327.025,344.17 h0.64 r90; SYMBOL_PART_DIM "PAD 35X32 OV" at 327.99,347.294 h0.64 r90; SYMBOL_PART_DIM "C402-35X32" at 326.72,347.294 h0.64 r90; SYMBOL_PART_DIM "0" at 325.349,344.373 h0.64 r90; SYMBOL_PART_DIM "0" at 323.545,346.507 h0.64 r90
C100: PIN_NUMBER "1" at 315.951,353.187 h1.02 r90; PIN_NUMBER "2" at 315.951,356.235 h1.02 r90; Top Overlay "+" at 316.738,351.79 h0.89 r90; ASSEMBLY_TOP "33uF" at 316.738,353.822 h1.02 r90; ASSEMBLY_TOP "X" at 316.738,354.711 h1.02 r90; ASSEMBLY_TOP "X" at 316.738,355.727 h1.02 r90; ASSEMBLY_TOP "+" at 315.468,351.79 h1.02 r90; SYMB_DIM "PAD 40X70OV" at 317.602,357.505 h1.02 r90; SYMB_DIM "SM  48X78" at 320.319,356.235 h1.02 r90; SYMB_DIM "SP  40X70OV" at 321.412,357.505 h1.02 r90; SYMB_DIM "C1206-40X70" at 306.68,357.251 h1.02 r90; SYMB_DIM "0" at 320.167,354.076 h1.02 r90; SYMB_DIM "0" at 316.992,350.266 h1.02 r90
C101: PIN_NUMBER "1" at 336.271,350.901 h1.02 r90; PIN_NUMBER "2" at 336.271,353.949 h1.02 r90; Top Overlay "+" at 338.328,350.139 h0.89 r90; ASSEMBLY_TOP "33uF" at 337.058,351.536 h1.02 r90; ASSEMBLY_TOP "X" at 337.058,352.425 h1.02 r90; ASSEMBLY_TOP "X" at 337.058,353.441 h1.02 r90; ASSEMBLY_TOP "+" at 335.788,349.504 h1.02 r90; SYMB_DIM "PAD 40X70OV" at 337.922,355.219 h1.02 r90; SYMB_DIM "SM  48X78" at 340.639,353.949 h1.02 r90; SYMB_DIM "SP  40X70OV" at 341.732,355.219 h1.02 r90; SYMB_DIM "C1206-40X70" at 327,354.965 h1.02 r90; SYMB_DIM "0" at 340.487,351.79 h1.02 r90; SYMB_DIM "0" at 337.312,347.98 h1.02 r90
C102: PIN_NUMBER "1" at 328.778,320.548 h1.02; PIN_NUMBER "2" at 331.826,320.548 h1.02; Top Overlay "+" at 328.168,321.564 h0.89; ASSEMBLY_TOP "33uF" at 329.819,320.167 h1.02; ASSEMBLY_TOP "X" at 330.708,320.167 h1.02; ASSEMBLY_TOP "X" at 331.724,320.167 h1.02; ASSEMBLY_TOP "+" at 327.787,321.437 h1.02; SYMB_DIM "PAD 40X70OV" at 329.032,314.833 h1.02; SYMB_DIM "SM  48X78" at 328.574,312.928 h1.02; SYMB_DIM "SP  40X70OV" at 329.032,311.023 h1.02; SYMB_DIM "C1206-40X70" at 328.778,325.755 h1.02; SYMB_DIM "0" at 330.073,316.738 h1.02; SYMB_DIM "0" at 326.263,319.913 h1.02
C103: PIN_NUMBER "1" at 305.156,359.41 h1.02 r90; PIN_NUMBER "2" at 305.156,362.458 h1.02 r90; Top Overlay "+" at 304.165,359.41 h0.89 r90; ASSEMBLY_TOP "33uF" at 305.943,360.045 h1.02 r90; ASSEMBLY_TOP "X" at 305.943,360.934 h1.02 r90; ASSEMBLY_TOP "X" at 305.943,361.95 h1.02 r90; ASSEMBLY_TOP "+" at 304.673,358.013 h1.02 r90; SYMB_DIM "PAD 40X70OV" at 306.807,363.728 h1.02 r90; SYMB_DIM "SM  48X78" at 309.524,362.458 h1.02 r90; SYMB_DIM "SP  40X70OV" at 310.617,363.728 h1.02 r90; SYMB_DIM "C1206-40X70" at 295.885,363.474 h1.02 r90; SYMB_DIM "0" at 309.372,360.299 h1.02 r90; SYMB_DIM "0" at 306.197,356.489 h1.02 r90
C104: PIN_NUMBER "1" at 270.739,349.885 h1.02; PIN_NUMBER "2" at 273.787,349.885 h1.02; ASSEMBLY_TOP "22 uF" at 271.78,349.504 h1.02; ASSEMBLY_TOP "X" at 272.669,349.504 h1.02; ASSEMBLY_TOP "X" at 273.685,349.504 h1.02; SYMB_DIM "PAD 40X70OV" at 270.993,344.17 h1.02; SYMB_DIM "SM  48X78" at 270.535,342.265 h1.02; SYMB_DIM "SP  40X70OV" at 270.993,340.36 h1.02; SYMB_DIM "C1206-40X70" at 270.739,355.092 h1.02; SYMB_DIM "0" at 272.034,346.075 h1.02; SYMB_DIM "0" at 268.224,349.25 h1.02
C105: PIN_NUMBER "1" at 349.608,331.47 h1.02; PIN_NUMBER "2" at 352.656,331.47 h1.02; ASSEMBLY_TOP "22 uF" at 350.65,331.089 h1.02; ASSEMBLY_TOP "X" at 351.539,331.089 h1.02; ASSEMBLY_TOP "X" at 352.555,331.089 h1.02; SYMB_DIM "PAD 40X70OV" at 349.862,325.755 h1.02; SYMB_DIM "SM  48X78" at 349.405,323.85 h1.02; SYMB_DIM "SP  40X70OV" at 349.862,321.945 h1.02; SYMB_DIM "C1206-40X70" at 349.608,336.677 h1.02; SYMB_DIM "0" at 350.904,327.66 h1.02; SYMB_DIM "0" at 347.094,330.835 h1.02
C106: PIN_NUMBER "1" at 359.082,326.898 h0.51 r180; PIN_NUMBER "2" at 360.098,326.898 h0.51 r180; ASSEMBLY_BOTTOM "0.1uF" at 359.794,326.898 h0.64 r180; ASSEMBLY_BOTTOM "TOLERANCE" at 359.794,329.438 h0.64 r180; ASSEMBLY_BOTTOM "USERPART#" at 359.794,330.708 h0.64 r180; SYMBOL_PART_DIM "PAD 35X32 OV" at 356.669,331.673 h0.64 r180; SYMBOL_PART_DIM "C402-35X32" at 356.669,330.403 h0.64 r180; SYMBOL_PART_DIM "0" at 359.59,329.032 h0.64 r180; SYMBOL_PART_DIM "0" at 357.457,327.228 h0.64 r180
C107: PIN_NUMBER "1" at 360.771,325.374 h0.51 r180; PIN_NUMBER "2" at 361.787,325.374 h0.51 r180; ASSEMBLY_BOTTOM "0.1uF" at 361.483,325.374 h0.64 r180; ASSEMBLY_BOTTOM "TOLERANCE" at 361.483,327.914 h0.64 r180; ASSEMBLY_BOTTOM "USERPART#" at 361.483,329.184 h0.64 r180; SYMBOL_PART_DIM "PAD 35X32 OV" at 358.358,330.149 h0.64 r180; SYMBOL_PART_DIM "C402-35X32" at 358.358,328.879 h0.64 r180; SYMBOL_PART_DIM "0" at 361.279,327.508 h0.64 r180; SYMBOL_PART_DIM "0" at 359.146,325.704 h0.64 r180
C108: PIN_NUMBER "1" at 358.612,325.374 h0.51 r180; PIN_NUMBER "2" at 359.628,325.374 h0.51 r180; ASSEMBLY_BOTTOM "0.1uF" at 359.324,325.374 h0.64 r180; ASSEMBLY_BOTTOM "TOLERANCE" at 359.324,327.914 h0.64 r180; ASSEMBLY_BOTTOM "USERPART#" at 359.324,329.184 h0.64 r180; SYMBOL_PART_DIM "PAD 35X32 OV" at 356.199,330.149 h0.64 r180; SYMBOL_PART_DIM "C402-35X32" at 356.199,328.879 h0.64 r180; SYMBOL_PART_DIM "0" at 359.12,327.508 h0.64 r180; SYMBOL_PART_DIM "0" at 356.987,325.704 h0.64 r180
C109: PIN_NUMBER "1" at 351.843,322.58 h0.51; PIN_NUMBER "2" at 350.827,322.58 h0.51; ASSEMBLY_BOTTOM "0.1uF" at 351.539,322.58 h0.64; ASSEMBLY_BOTTOM "TOLERANCE" at 351.539,320.04 h0.64; ASSEMBLY_BOTTOM "USERPART#" at 351.539,318.77 h0.64; SYMBOL_PART_DIM "PAD 35X32 OV" at 354.663,317.805 h0.64; SYMBOL_PART_DIM "C402-35X32" at 354.663,319.075 h0.64; SYMBOL_PART_DIM "0" at 351.742,320.446 h0.64; SYMBOL_PART_DIM "0" at 353.875,322.25 h0.64
C110: PIN_NUMBER "1" at 357.812,345.059 h0.51 r180; PIN_NUMBER "2" at 358.828,345.059 h0.51 r180; ASSEMBLY_BOTTOM "0.1uF" at 358.524,345.059 h0.64 r180; ASSEMBLY_BOTTOM "TOLERANCE" at 358.524,347.599 h0.64 r180; ASSEMBLY_BOTTOM "USERPART#" at 358.524,348.869 h0.64 r180; SYMBOL_PART_DIM "PAD 35X32 OV" at 355.399,349.834 h0.64 r180; SYMBOL_PART_DIM "C402-35X32" at 355.399,348.564 h0.64 r180; SYMBOL_PART_DIM "0" at 358.32,347.193 h0.64 r180; SYMBOL_PART_DIM "0" at 356.187,345.389 h0.64 r180
C111: PIN_NUMBER "1" at 359.082,346.583 h0.51 r180; PIN_NUMBER "2" at 360.098,346.583 h0.51 r180; ASSEMBLY_BOTTOM "0.1uF" at 359.794,346.583 h0.64 r180; ASSEMBLY_BOTTOM "TOLERANCE" at 359.794,349.123 h0.64 r180; ASSEMBLY_BOTTOM "USERPART#" at 359.794,350.393 h0.64 r180; SYMBOL_PART_DIM "PAD 35X32 OV" at 356.669,351.358 h0.64 r180; SYMBOL_PART_DIM "C402-35X32" at 356.669,350.088 h0.64 r180; SYMBOL_PART_DIM "0" at 359.59,348.717 h0.64 r180; SYMBOL_PART_DIM "0" at 357.457,346.913 h0.64 r180
C112: PIN_NUMBER "1" at 361.749,324.104 h0.51 r180; PIN_NUMBER "2" at 362.765,324.104 h0.51 r180; ASSEMBLY_BOTTOM "0.1uF" at 362.461,324.104 h0.64 r180; ASSEMBLY_BOTTOM "TOLERANCE" at 362.461,326.644 h0.64 r180; ASSEMBLY_BOTTOM "USERPART#" at 362.461,327.914 h0.64 r180; SYMBOL_PART_DIM "PAD 35X32 OV" at 359.336,328.879 h0.64 r180; SYMBOL_PART_DIM "C402-35X32" at 359.336,327.609 h0.64 r180; SYMBOL_PART_DIM "0" at 362.257,326.238 h0.64 r180; SYMBOL_PART_DIM "0" at 360.124,324.434 h0.64 r180
C113: PIN_NUMBER "1" at 357.558,326.898 h0.51; PIN_NUMBER "2" at 356.542,326.898 h0.51; ASSEMBLY_BOTTOM "0.1uF" at 357.254,326.898 h0.64; ASSEMBLY_BOTTOM "TOLERANCE" at 357.254,324.358 h0.64; ASSEMBLY_BOTTOM "USERPART#" at 357.254,323.088 h0.64; SYMBOL_PART_DIM "PAD 35X32 OV" at 360.378,322.123 h0.64; SYMBOL_PART_DIM "C402-35X32" at 360.378,323.393 h0.64; SYMBOL_PART_DIM "0" at 357.457,324.764 h0.64; SYMBOL_PART_DIM "0" at 359.59,326.568 h0.64
C114: PIN_NUMBER "1" at 349.608,351.155 h1.02; PIN_NUMBER "2" at 352.656,351.155 h1.02; ASSEMBLY_TOP "22 uF" at 350.65,350.774 h1.02; ASSEMBLY_TOP "X" at 351.539,350.774 h1.02; ASSEMBLY_TOP "X" at 352.555,350.774 h1.02; SYMB_DIM "PAD 40X70OV" at 349.862,345.44 h1.02; SYMB_DIM "SM  48X78" at 349.405,343.535 h1.02; SYMB_DIM "SP  40X70OV" at 349.862,341.63 h1.02; SYMB_DIM "C1206-40X70" at 349.608,356.362 h1.02; SYMB_DIM "0" at 350.904,347.345 h1.02; SYMB_DIM "0" at 347.094,350.52 h1.02
C115: PIN_NUMBER "1" at 349.608,318.77 h1.02; PIN_NUMBER "2" at 352.656,318.77 h1.02; ASSEMBLY_TOP "22 uF" at 350.65,318.389 h1.02; ASSEMBLY_TOP "X" at 351.539,318.389 h1.02; ASSEMBLY_TOP "X" at 352.555,318.389 h1.02; SYMB_DIM "PAD 40X70OV" at 349.862,313.055 h1.02; SYMB_DIM "SM  48X78" at 349.405,311.15 h1.02; SYMB_DIM "SP  40X70OV" at 349.862,309.245 h1.02; SYMB_DIM "C1206-40X70" at 349.608,323.977 h1.02; SYMB_DIM "0" at 350.904,314.96 h1.02; SYMB_DIM "0" at 347.094,318.135 h1.02
C116: PIN_NUMBER "1" at 355.78,345.059 h0.51 r180; PIN_NUMBER "2" at 356.796,345.059 h0.51 r180; ASSEMBLY_BOTTOM "0.1uF" at 356.492,345.059 h0.64 r180; ASSEMBLY_BOTTOM "TOLERANCE" at 356.492,347.599 h0.64 r180; ASSEMBLY_BOTTOM "USERPART#" at 356.492,348.869 h0.64 r180; SYMBOL_PART_DIM "PAD 35X32 OV" at 353.367,349.834 h0.64 r180; SYMBOL_PART_DIM "C402-35X32" at 353.367,348.564 h0.64 r180; SYMBOL_PART_DIM "0" at 356.288,347.193 h0.64 r180; SYMBOL_PART_DIM "0" at 354.155,345.389 h0.64 r180
C117: PIN_NUMBER "1" at 359.971,343.027 h0.51 r180; PIN_NUMBER "2" at 360.987,343.027 h0.51 r180; ASSEMBLY_BOTTOM "0.1uF" at 360.683,343.027 h0.64 r180; ASSEMBLY_BOTTOM "TOLERANCE" at 360.683,345.567 h0.64 r180; ASSEMBLY_BOTTOM "USERPART#" at 360.683,346.837 h0.64 r180; SYMBOL_PART_DIM "PAD 35X32 OV" at 357.558,347.802 h0.64 r180; SYMBOL_PART_DIM "C402-35X32" at 357.558,346.532 h0.64 r180; SYMBOL_PART_DIM "0" at 360.479,345.161 h0.64 r180; SYMBOL_PART_DIM "0" at 358.346,343.357 h0.64 r180
C118: PIN_NUMBER "1" at 357.558,346.583 h0.51; PIN_NUMBER "2" at 356.542,346.583 h0.51; ASSEMBLY_BOTTOM "0.1uF" at 357.254,346.583 h0.64; ASSEMBLY_BOTTOM "TOLERANCE" at 357.254,344.043 h0.64; ASSEMBLY_BOTTOM "USERPART#" at 357.254,342.773 h0.64; SYMBOL_PART_DIM "PAD 35X32 OV" at 360.378,341.808 h0.64; SYMBOL_PART_DIM "C402-35X32" at 360.378,343.078 h0.64; SYMBOL_PART_DIM "0" at 357.457,344.449 h0.64; SYMBOL_PART_DIM "0" at 359.59,346.253 h0.64
C119: PIN_NUMBER "1" at 356.58,325.374 h0.51 r180; PIN_NUMBER "2" at 357.596,325.374 h0.51 r180; ASSEMBLY_BOTTOM "0.1uF" at 357.292,325.374 h0.64 r180; ASSEMBLY_BOTTOM "TOLERANCE" at 357.292,327.914 h0.64 r180; ASSEMBLY_BOTTOM "USERPART#" at 357.292,329.184 h0.64 r180; SYMBOL_PART_DIM "PAD 35X32 OV" at 354.167,330.149 h0.64 r180; SYMBOL_PART_DIM "C402-35X32" at 354.167,328.879 h0.64 r180; SYMBOL_PART_DIM "0" at 357.088,327.508 h0.64 r180; SYMBOL_PART_DIM "0" at 354.955,325.704 h0.64 r180
C120: PIN_NUMBER "1" at 351.843,342.265 h0.51; PIN_NUMBER "2" at 350.827,342.265 h0.51; ASSEMBLY_BOTTOM "0.1uF" at 351.539,342.265 h0.64; ASSEMBLY_BOTTOM "TOLERANCE" at 351.539,339.725 h0.64; ASSEMBLY_BOTTOM "USERPART#" at 351.539,338.455 h0.64; SYMBOL_PART_DIM "PAD 35X32 OV" at 354.663,337.49 h0.64; SYMBOL_PART_DIM "C402-35X32" at 354.663,338.76 h0.64; SYMBOL_PART_DIM "0" at 351.742,340.131 h0.64; SYMBOL_PART_DIM "0" at 353.875,341.935 h0.64
C121: PIN_NUMBER "1" at 359.971,345.059 h0.51 r180; PIN_NUMBER "2" at 360.987,345.059 h0.51 r180; ASSEMBLY_BOTTOM "0.1uF" at 360.683,345.059 h0.64 r180; ASSEMBLY_BOTTOM "TOLERANCE" at 360.683,347.599 h0.64 r180; ASSEMBLY_BOTTOM "USERPART#" at 360.683,348.869 h0.64 r180; SYMBOL_PART_DIM "PAD 35X32 OV" at 357.558,349.834 h0.64 r180; SYMBOL_PART_DIM "C402-35X32" at 357.558,348.564 h0.64 r180; SYMBOL_PART_DIM "0" at 360.479,347.193 h0.64 r180; SYMBOL_PART_DIM "0" at 358.346,345.389 h0.64 r180
C122: PIN_NUMBER "1" at 291.262,290.703 h0.51 r90; PIN_NUMBER "2" at 291.262,289.687 h0.51 r90; ASSEMBLY_BOTTOM "0.1uF" at 291.465,290.195 h0.64 r90; ASSEMBLY_BOTTOM "TOLERANCE" at 294.005,290.195 h0.64 r90; ASSEMBLY_BOTTOM "USERPART#" at 295.275,290.195 h0.64 r90; SYMBOL_PART_DIM "PAD 35X32 OV" at 296.24,293.319 h0.64 r90; SYMBOL_PART_DIM "C402-35X32" at 294.97,293.319 h0.64 r90; SYMBOL_PART_DIM "0" at 293.599,290.398 h0.64 r90; SYMBOL_PART_DIM "0" at 291.795,292.532 h0.64 r90
C123: PIN_NUMBER "1" at 289.992,314.198 h0.51 r90; PIN_NUMBER "2" at 289.992,313.182 h0.51 r90; ASSEMBLY_BOTTOM "0.1uF" at 290.195,313.69 h0.64 r90; ASSEMBLY_BOTTOM "TOLERANCE" at 292.735,313.69 h0.64 r90; ASSEMBLY_BOTTOM "USERPART#" at 294.005,313.69 h0.64 r90; SYMBOL_PART_DIM "PAD 35X32 OV" at 294.97,316.814 h0.64 r90; SYMBOL_PART_DIM "C402-35X32" at 293.7,316.814 h0.64 r90; SYMBOL_PART_DIM "0" at 292.329,313.893 h0.64 r90; SYMBOL_PART_DIM "0" at 290.525,316.027 h0.64 r90
C124: PIN_NUMBER "1" at 287.452,310.007 h0.51 r270; PIN_NUMBER "2" at 287.452,311.023 h0.51 r270; ASSEMBLY_BOTTOM "TOLERANCE" at 285.115,310.515 h0.64 r270; ASSEMBLY_BOTTOM "USERPART#" at 283.845,310.515 h0.64 r270; SYMBOL_PART_DIM "PAD 35X32 OV" at 282.88,307.391 h0.64 r270; SYMBOL_PART_DIM "C402-35X32" at 284.15,307.391 h0.64 r270; SYMBOL_PART_DIM "0" at 285.521,310.312 h0.64 r270; SYMBOL_PART_DIM "0" at 287.325,308.178 h0.64 r270
C125: PIN_NUMBER "1" at 300.152,314.452 h0.51 r270; PIN_NUMBER "2" at 300.152,315.468 h0.51 r270; ASSEMBLY_BOTTOM "TOLERANCE" at 297.815,314.96 h0.64 r270; ASSEMBLY_BOTTOM "USERPART#" at 296.545,314.96 h0.64 r270; SYMBOL_PART_DIM "PAD 35X32 OV" at 295.58,311.836 h0.64 r270; SYMBOL_PART_DIM "C402-35X32" at 296.85,311.836 h0.64 r270; SYMBOL_PART_DIM "0" at 298.221,314.757 h0.64 r270; SYMBOL_PART_DIM "0" at 300.025,312.623 h0.64 r270
C126: PIN_NUMBER "2" at 301.549,310.515 h0.51; PIN_NUMBER "1" at 302.565,310.515 h0.51; ASSEMBLY_BOTTOM "TOLERANCE" at 302.26,307.975 h0.64; ASSEMBLY_BOTTOM "USERPART#" at 302.26,306.705 h0.64; SYMBOL_PART_DIM "PAD 35X32 OV" at 305.384,305.74 h0.64; SYMBOL_PART_DIM "C402-35X32" at 305.384,307.01 h0.64; SYMBOL_PART_DIM "0" at 302.463,308.381 h0.64; SYMBOL_PART_DIM "0" at 304.597,310.185 h0.64
C127: PIN_NUMBER "1" at 432.41,371.348 h0.51 r270; PIN_NUMBER "2" at 432.41,372.872 h0.51 r270; SYMB_DIM "PAD 35X45OV" at 427.99,367.919 h1.02 r270; SYMB_DIM "SM  43X53OV" at 426.085,367.919 h1.02 r270; SYMB_DIM "SP  35X45OV" at 424.307,367.919 h1.02 r270; SYMB_DIM "C603-35X45" at 436.88,368.173 h1.02 r270; SYMB_DIM "0" at 429.641,371.475 h1.02 r270; SYMB_DIM "0" at 432.562,368.427 h1.02 r270; ASSEMBLY_BOTTOM "1uF" at 432.689,371.475 h1.02 r270; ASSEMBLY_BOTTOM "X" at 432.689,372.364 h1.02 r270; ASSEMBLY_BOTTOM "X" at 432.816,373.253 h1.02 r270
C128: PIN_NUMBER "1" at 430.124,370.459 h1.02 r270; PIN_NUMBER "2" at 430.124,373.507 h1.02 r270; SYMB_DIM "PAD 40X70OV" at 420.345,374.777 h1.02 r270; SYMB_DIM "SM  48X78" at 419.252,373.507 h1.02 r270; SYMB_DIM "SP  40X70OV" at 416.535,374.777 h1.02 r270; SYMB_DIM "C1206-40X70" at 431.267,374.523 h1.02 r270; SYMB_DIM "0" at 426.72,371.348 h1.02 r270; SYMB_DIM "0" at 429.895,367.538 h1.02 r270; ASSEMBLY_BOTTOM "10uF" at 430.149,371.094 h1.02 r270; ASSEMBLY_BOTTOM "X" at 430.149,371.983 h1.02 r270; ASSEMBLY_BOTTOM "X" at 430.149,372.999 h1.02 r270; ASSEMBLY_BOTTOM "+" at 430.149,369.062 h1.02 r270; Bottom Overlay "+" at 430.403,368.808 h0.89 r270
C129: PIN_NUMBER "2" at 427.203,380.492 h0.51 r270; PIN_NUMBER "1" at 427.203,378.968 h0.51 r270; SYMB_DIM "PAD 35X45OV" at 422.783,375.539 h1.02 r270; SYMB_DIM "SM  43X53OV" at 420.878,375.539 h1.02 r270; SYMB_DIM "SP  35X45OV" at 419.1,375.539 h1.02 r270; SYMB_DIM "C603-35X45" at 431.673,375.793 h1.02 r270; SYMB_DIM "0" at 424.434,379.095 h1.02 r270; SYMB_DIM "0" at 427.355,376.047 h1.02 r270; ASSEMBLY_BOTTOM "10pF" at 427.482,379.095 h1.02 r270; ASSEMBLY_BOTTOM "X" at 427.482,379.984 h1.02 r270; ASSEMBLY_BOTTOM "X" at 427.609,380.873 h1.02 r270
C130: PIN_NUMBER "2" at 429.87,380.619 h0.51; PIN_NUMBER "1" at 431.394,380.619 h0.51; SYMB_DIM "PAD 35X45OV" at 435.229,375.793 h1.02; SYMB_DIM "SM  43X53OV" at 435.229,373.888 h1.02; SYMB_DIM "SP  35X45OV" at 435.229,372.11 h1.02; SYMB_DIM "C603-35X45" at 434.975,384.683 h1.02; SYMB_DIM "0" at 431.673,377.444 h1.02; SYMB_DIM "0" at 434.721,380.365 h1.02; ASSEMBLY_BOTTOM "10pF" at 431.673,380.492 h1.02; ASSEMBLY_BOTTOM "X" at 430.784,380.492 h1.02; ASSEMBLY_BOTTOM "X" at 429.895,380.619 h1.02
C131: PIN_NUMBER "2" at 436.982,380.492 h0.51 r270; PIN_NUMBER "1" at 436.982,378.968 h0.51 r270; SYMB_DIM "PAD 35X45OV" at 432.562,375.539 h1.02 r270; SYMB_DIM "SM  43X53OV" at 430.657,375.539 h1.02 r270; SYMB_DIM "SP  35X45OV" at 428.879,375.539 h1.02 r270; SYMB_DIM "C603-35X45" at 441.452,375.793 h1.02 r270; SYMB_DIM "0" at 434.213,379.095 h1.02 r270; SYMB_DIM "0" at 437.134,376.047 h1.02 r270; ASSEMBLY_BOTTOM "10pF" at 437.261,379.095 h1.02 r270; ASSEMBLY_BOTTOM "X" at 437.261,379.984 h1.02 r270; ASSEMBLY_BOTTOM "X" at 437.388,380.873 h1.02 r270
C132: PIN_NUMBER "2" at 434.823,381.127 h0.51 r180; PIN_NUMBER "1" at 433.299,381.127 h0.51 r180; SYMB_DIM "PAD 35X45OV" at 430.276,385.953 h1.02 r180; SYMB_DIM "SM  43X53OV" at 430.276,387.858 h1.02 r180; SYMB_DIM "SP  35X45OV" at 430.276,389.636 h1.02 r180; SYMB_DIM "C603-35X45" at 430.53,377.063 h1.02 r180; SYMB_DIM "0" at 433.832,384.302 h1.02 r180; SYMB_DIM "0" at 430.784,381.381 h1.02 r180; ASSEMBLY_BOTTOM "10pF" at 433.832,381.254 h1.02 r180; ASSEMBLY_BOTTOM "X" at 434.721,381.254 h1.02 r180; ASSEMBLY_BOTTOM "X" at 435.61,381.127 h1.02 r180
C133: PIN_NUMBER "1" at 436.22,371.983 h0.51 r270; PIN_NUMBER "2" at 436.22,373.507 h0.51 r270; SYMB_DIM "PAD 35X45OV" at 431.8,368.554 h1.02 r270; SYMB_DIM "SM  43X53OV" at 429.895,368.554 h1.02 r270; SYMB_DIM "SP  35X45OV" at 428.117,368.554 h1.02 r270; SYMB_DIM "C603-35X45" at 440.69,368.808 h1.02 r270; SYMB_DIM "0" at 433.451,372.11 h1.02 r270; SYMB_DIM "0" at 436.372,369.062 h1.02 r270; ASSEMBLY_BOTTOM "1uF" at 436.499,372.11 h1.02 r270; ASSEMBLY_BOTTOM "X" at 436.499,372.999 h1.02 r270; ASSEMBLY_BOTTOM "X" at 436.626,373.888 h1.02 r270
C134: PIN_NUMBER "1" at 439.268,374.523 h0.51 r90; PIN_NUMBER "2" at 439.268,376.047 h0.51 r90; ASSEMBLY_TOP "1uF" at 439.801,374.65 h1.02 r90; ASSEMBLY_TOP "X" at 439.801,375.539 h1.02 r90; ASSEMBLY_TOP "X" at 439.674,376.428 h1.02 r90; SYMB_DIM "PAD 35X45OV" at 444.5,371.094 h1.02 r90; SYMB_DIM "SM  43X53OV" at 446.405,371.094 h1.02 r90; SYMB_DIM "SP  35X45OV" at 448.183,371.094 h1.02 r90; SYMB_DIM "C603-35X45" at 435.61,371.348 h1.02 r90; SYMB_DIM "0" at 442.849,374.65 h1.02 r90; SYMB_DIM "0" at 439.928,371.602 h1.02 r90
C135: PIN_NUMBER "1" at 436.474,375.539 h0.51; PIN_NUMBER "2" at 434.95,375.539 h0.51; SYMB_DIM "PAD 35X45OV" at 440.309,370.713 h1.02; SYMB_DIM "SM  43X53OV" at 440.309,368.808 h1.02; SYMB_DIM "SP  35X45OV" at 440.309,367.03 h1.02; SYMB_DIM "C603-35X45" at 440.055,379.603 h1.02; SYMB_DIM "0" at 436.753,372.364 h1.02; SYMB_DIM "0" at 439.801,375.285 h1.02; ASSEMBLY_BOTTOM "1uF" at 436.753,375.412 h1.02; ASSEMBLY_BOTTOM "X" at 435.864,375.412 h1.02; ASSEMBLY_BOTTOM "X" at 434.975,375.539 h1.02
C136: PIN_NUMBER "1" at 438.76,371.983 h0.51 r270; PIN_NUMBER "2" at 438.76,370.459 h0.51 r270; ASSEMBLY_TOP "1uF" at 439.039,371.856 h1.02 r270; ASSEMBLY_TOP "X" at 439.039,370.967 h1.02 r270; ASSEMBLY_TOP "X" at 439.166,370.078 h1.02 r270; SYMB_DIM "PAD 35X45OV" at 434.34,375.412 h1.02 r270; SYMB_DIM "SM  43X53OV" at 432.435,375.412 h1.02 r270; SYMB_DIM "SP  35X45OV" at 430.657,375.412 h1.02 r270; SYMB_DIM "C603-35X45" at 443.23,375.158 h1.02 r270; SYMB_DIM "0" at 435.991,371.856 h1.02 r270; SYMB_DIM "0" at 438.912,374.904 h1.02 r270
C137: PIN_NUMBER "1" at 321.869,297.18 h0.51 r180; PIN_NUMBER "2" at 322.885,297.18 h0.51 r180; ASSEMBLY_BOTTOM "0.1uF" at 322.58,297.18 h0.64 r180; ASSEMBLY_BOTTOM "TOLERANCE" at 322.58,299.72 h0.64 r180; ASSEMBLY_BOTTOM "USERPART#" at 322.58,300.99 h0.64 r180; SYMBOL_PART_DIM "PAD 35X32 OV" at 319.456,301.955 h0.64 r180; SYMBOL_PART_DIM "C402-35X32" at 319.456,300.685 h0.64 r180; SYMBOL_PART_DIM "0" at 322.377,299.314 h0.64 r180; SYMBOL_PART_DIM "0" at 320.243,297.51 h0.64 r180
C138: PIN_NUMBER "1" at 321.869,292.1 h0.51 r180; PIN_NUMBER "2" at 322.885,292.1 h0.51 r180; ASSEMBLY_BOTTOM "0.1uF" at 322.58,292.1 h0.64 r180; ASSEMBLY_BOTTOM "TOLERANCE" at 322.58,294.64 h0.64 r180; ASSEMBLY_BOTTOM "USERPART#" at 322.58,295.91 h0.64 r180; SYMBOL_PART_DIM "PAD 35X32 OV" at 319.456,296.875 h0.64 r180; SYMBOL_PART_DIM "C402-35X32" at 319.456,295.605 h0.64 r180; SYMBOL_PART_DIM "0" at 322.377,294.234 h0.64 r180; SYMBOL_PART_DIM "0" at 320.243,292.43 h0.64 r180
C139: PIN_NUMBER "1" at 332.537,289.052 h0.51 r270; PIN_NUMBER "2" at 332.537,290.068 h0.51 r270; ASSEMBLY_BOTTOM "0.1uF" at 332.74,289.56 h0.64 r270; ASSEMBLY_BOTTOM "TOLERANCE" at 330.2,289.56 h0.64 r270; ASSEMBLY_BOTTOM "USERPART#" at 328.93,289.56 h0.64 r270; SYMBOL_PART_DIM "PAD 35X32 OV" at 327.965,286.436 h0.64 r270; SYMBOL_PART_DIM "C402-35X32" at 329.235,286.436 h0.64 r270; SYMBOL_PART_DIM "0" at 330.606,289.357 h0.64 r270; SYMBOL_PART_DIM "0" at 332.41,287.223 h0.64 r270